# Altium PCB CableNodeRevG.PcbDoc (part 2 of 3)
Units mil, origin at the board's own origin, x right, y up, seen from the top; angles counter-clockwise.
Board outline 3393.33 x 4682.75 mil, 4 copper layers (Top Layer, Internal Plane 1, Internal Plane 2, Bottom Layer); 163 components, 86 nets, 408 pads, 182 vias.
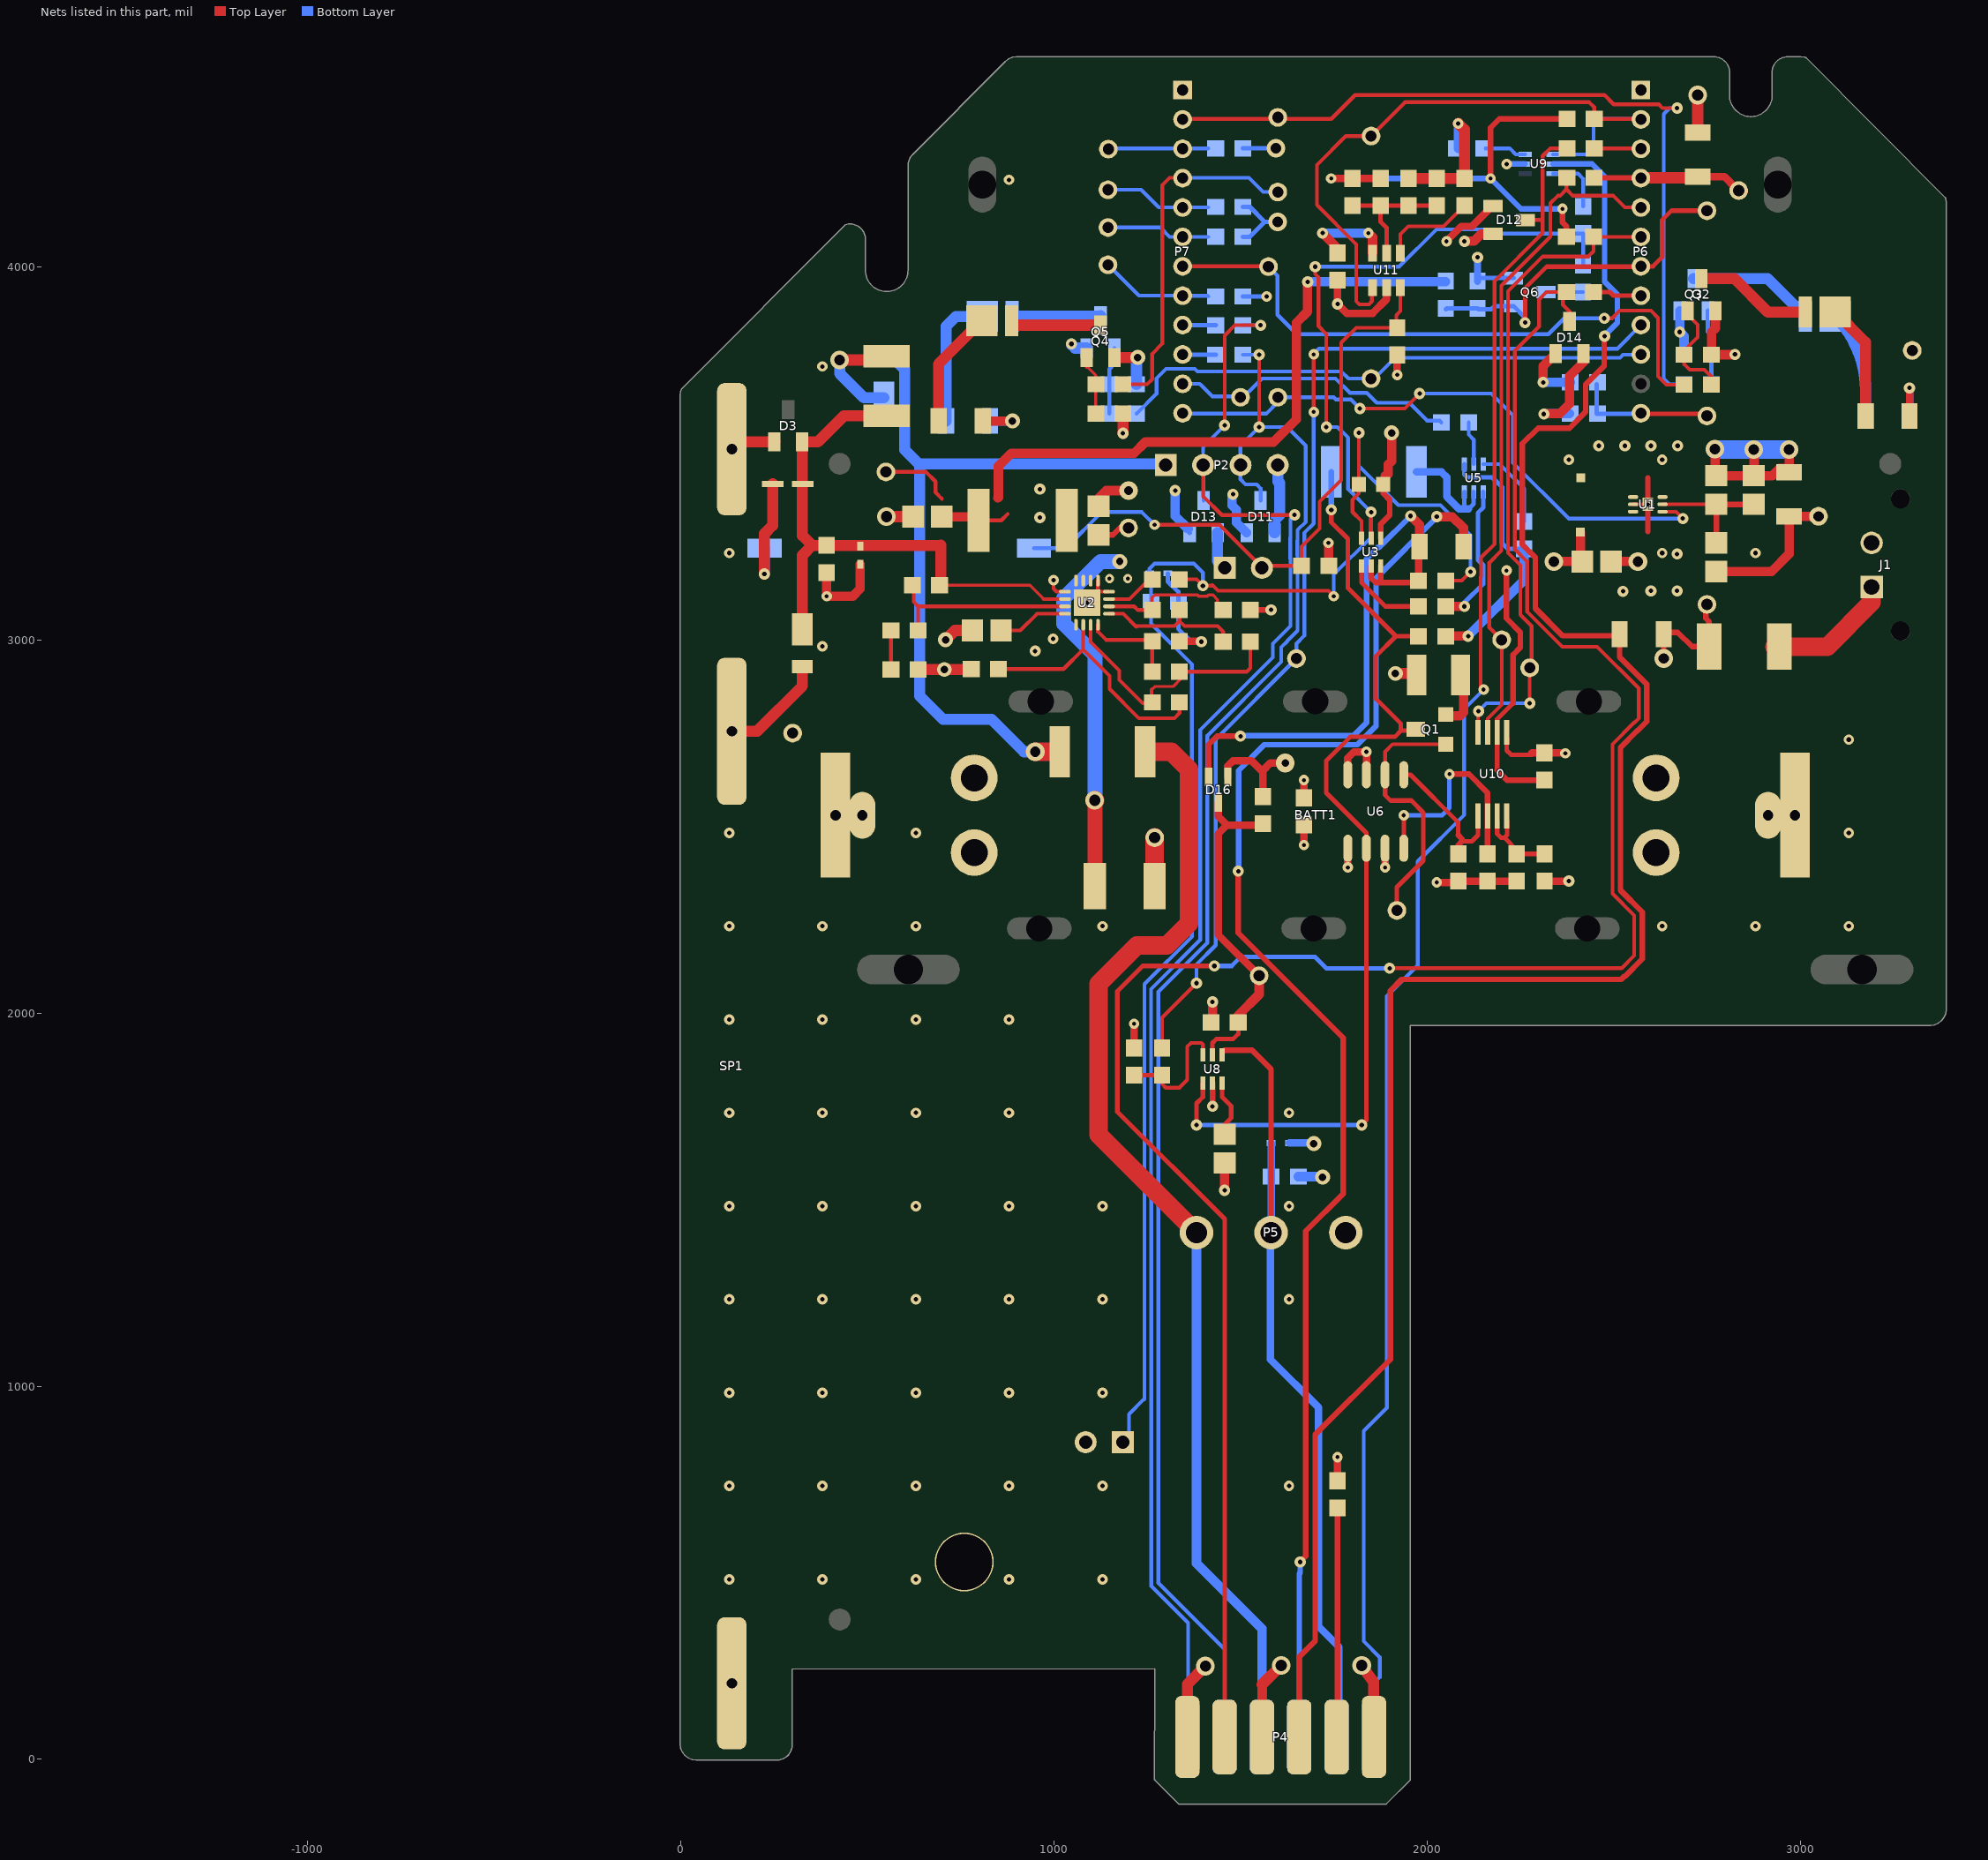
[diagram p4: the nets of this part, all layers, seen from the top]

## Part data (continued)
R46: library part ERJ-3GEY0R00V, "RES 0.0 OHM 1/10W 0603 SMD", Manufacturer="Panasonic - ECG", Package / Case="0603 (1608 Metric)", Power (Watts)="0.1W, 1/10W", Resistance (Ohms)=0.0, Supplier Part Number 1=P0.0GTR-ND, Temperature Coefficient="-100/ +600ppm/°C", Tolerance=Jumper, Category 1=Resistors, ComponentLink1Description=http://industrial.panasonic.com/www-cgi/jvcr13pz.cgi?E+PZ+3+AOA0001+ERJ3GEY0R00V+7+WW, ComponentLink1URL=http://industrial.panasonic.com/www-cgi/jvcr13pz.cgi?E+PZ+3+AOA0001+ERJ3GEY0R00V+7+WW, Composition="Thick Film", Description 1="RES 0.0 OHM 1/10W 0603 SMD", Features=-, Height="0.018\" (0.45mm)", Lead Style="Surface Mount (SMD - SMT)", Manufacturer Part Number=ERJ-3GEY0R00V, OPI_VID=101042, Packaging="Tape & Reel (TR)", Pricing 1="5000=0.00171, 10000=0.00149, 25000=0.00131 (USD)", RoHS 1="RoHS Compliant", Size / Dimension="0.063\" L x 0.031\" W (1.60mm x 0.80mm)", Stock 1=25505000, Supplier 1=Digi-Key
R54: library part ERJ-3EKF2001V, "RES 2K OHM 1/10W 1% 0603 SMD", Manufacturer="Panasonic Electronic Components", Package / Case="0603 (1608 Metric)", Power (Watts)="0.1W, 1/10W", Resistance (Ohms)=2k, Supplier Device Package=0603, Supplier Part Number 1=P2.00KHTR-ND, Temperature Coefficient=±100ppm/°C, Tolerance=±1%, Category=Resistors, ComponentLink1Description=http://industrial.panasonic.com/www-cgi/jvcr13pz.cgi?E+PZ+3+AOA0002+ERJ3EKF2001V+7+WW, ComponentLink1URL=http://industrial.panasonic.com/www-cgi/jvcr13pz.cgi?E+PZ+3+AOA0002+ERJ3EKF2001V+7+WW, Composition="Thick Film", Features=-, Height="0.022\" (0.55mm)", Manufacturer Part Number=ERJ-3EKF2001V, Number of Terminations=2, OPI_VID=101487, Packaging="Tape & Reel (TR)", Pricing 1="5000=0.00272, 10000=0.00236, 25000=0.00207, 50000=0.0019, 125000=0.00186 (CAD)", RoHS="RoHS Compliant", Size / Dimension="0.063\" L x 0.031\" W (1.60mm x 0.80mm)", Stock 1=1000000, Supplier 1=Digi-Key
R55 R56 R57 R68: library part ERJ-3GEYJ472V, "RES 4.7K OHM 1/10W 5% 0603 SMD", Manufacturer="Panasonic - ECG", Package / Case="0603 (1608 Metric)", Power (Watts)="0.1W, 1/10W", Resistance (Ohms)=4.7K, Supplier Part Number 1=P4.7KGTR-ND, Temperature Coefficient=±200ppm/°C, Tolerance=±5%, Category=Resistors, ComponentLink1Description=http://industrial.panasonic.com/www-cgi/jvcr13pz.cgi?E+PZ+3+AOA0001+ERJ3GEYJ472V+7+WW, ComponentLink1URL=http://industrial.panasonic.com/www-cgi/jvcr13pz.cgi?E+PZ+3+AOA0001+ERJ3GEYJ472V+7+WW, Composition="Thick Film", Features=-, Height="0.022\" (0.55mm)", Manufacturer Part Number=ERJ-3GEYJ472V, Number of Terminations=2, OPI_VID=101175, Packaging="Tape & Reel (TR)", Pricing 1="5000=0.00174, 10000=0.00151, 25000=0.00132 (CAD)", RoHS="RoHS Compliant", Size / Dimension="0.063\" L x 0.031\" W (1.60mm x 0.80mm)", Stock 1=6230000, Supplier 1=Digi-Key
R58: library part ERJ-3GEYJ204V, "RES 200K OHM 1/10W 5% 0603 SMD", Manufacturer="Panasonic Electronic Components", Package / Case="0603 (1608 Metric)", Power (Watts)="0.1W, 1/10W", Resistance (Ohms)=100k, Supplier Part Number 1=P100KGTR-ND, Temperature Coefficient=±200ppm/°C, Tolerance=±5%, Category=Resistors, ComponentLink1Description=http://industrial.panasonic.com/www-cgi/jvcr13pz.cgi?E+PZ+3+AOA0001+ERJ3GEYJ104V+7+WW, ComponentLink1URL=http://industrial.panasonic.com/www-cgi/jvcr13pz.cgi?E+PZ+3+AOA0001+ERJ3GEYJ104V+7+WW, Composition="Thick Film", Features=-, Height="0.022\" (0.55mm)", Manufacturer Part Number=ERJ-3GEYJ204V, Number of Terminations=2, OPI_VID=101538, Packaging="Tape & Reel (TR)", Pricing 1="5000=0.00172, 10000=0.00149, 25000=0.00131, 50000=0.0012, 125000=0.00118 (CAD)", RoHS="RoHS Compliant", Size / Dimension="0.063\" L x 0.031\" W (1.60mm x 0.80mm)", Stock 1=3755000, Supplier 1=Digi-Key
R64: library part RC1608F3654CS, "RES 3M65 OHM 1/10W 1% 0603 SMD", Manufacturer=Samsung, Package / Case="0603 (1608 Metric)", Power (Watts)="0.1W, 1/10W", Supplier Part Number=1276-4964-2-ND, Temperature Coefficient=±100ppm/°C, Tolerance=±1%, Category=Resistors, ComponentLink1URL=http://digikey.com/Suppliers/ca/samsung-electro-mechanics.page?lang=en, Composition="Thick Film", Features=-, Height="0.022\" (0.55mm)", Manufacturer Part Number=RC1608F3654CS, Number of Terminations=2, OPI_VID=101535, Packaging="Tape & Reel (TR)", Pricing 1="5000=0.00257, 10000=0.00224, 25000=0.00196, 50000=0.0018, 125000=0.00177 (CAD)", Resistance (Ohms)=3M65, RoHS="RoHS Compliant", Size / Dimension="0.063\" L x 0.031\" W (1.60mm x 0.80mm)", Stock 1=210000, Supplier 1=Digi-Key, Supplier 2=Newark, Supplier Part Number 2=94W5795
SP1: library part SOLAR_PANEL, "Solar Panel, Flexible, 3.6V and 4.8V footprints", Manufacturer="PowerFilm Solar", Manufacturer Part Number=MPT3.6-300, OPI_VID=101345
SW1: "SWITCH REED MAG SMT 25-30 AT", Manufacturer="Standex-Meder Electronics", Supplier Part Number 1=374-1303-1-ND, Switching Current (DC) (Max)=500mA, Switching Power (Max)=10W, Switching Voltage (DC) (Max)=180V, Category 1=Switches, Circuit=SPST-NO, ComponentLink1Description=http://www.meder.com/fileadmin/products/en_datasheets/9151710025e.pdf, ComponentLink1URL=http://www.meder.com/fileadmin/products/en_datasheets/9151710025e.pdf, Magnet="Not Specified", Manufacturer Part Number=MK15-E-2, Mounting Type="PCB, Surface Mount", Must Operate="25 ~ 30AT", Must Release=-, OPI_VID=101384, Packaging="Cut Tape (CT)", Pricing 1="1=1.91, 10=1.674, 25=1.6076, 100=1.4735, 250=1.17212, 500=1.07162, 1000=1.03814 (CAD)", RoHS 1="RoHS Compliant", Stock 1=4362, Supplier 1=Digi-Key, Termination Style="Gull Wing", Type="Molded Body"
U1: "IC REG BOOST SYNC ADJ 0.55A 6DFN", Current - Output=550mA, Frequency - Switching=1MHz, Manufacturer="Linear Technology", Manufacturer Part Number=LTC3526LBEDC-2#TRMPBF, Operating Temperature="-40°C ~ 85°C", Package / Case="6-WFDFN Exposed Pad", Supplier Device Package="6-DFN (2x2)", Supplier Part Number 1=LTC3526LBEDC-2#TRMPBFTR-ND, Voltage - Input="0.5 V ~ 5.5 V", Voltage - Output="1.5 V ~ 5.25 V", Category="Integrated Circuits (ICs)", ComponentLink1Description=http://cds.linear.com/docs/Datasheet/3526llb2fa.pdf, ComponentLink1URL=http://cds.linear.com/docs/Datasheet/3526llb2fa.pdf, Mounting Type="Surface Mount", Number of Outputs=1, OPI_VID=101346, Output Type=Adjustable, Packaging="Tape & Reel (TR)", Pricing 1="500=2.4127 (CAD)", PWM Type="Current Mode, Burst Mode®", RoHS="RoHS Compliant", Stock 1=500, Supplier 1=Digi-Key, Synchronous Rectifier=Yes, Type="Step-Up (Boost)"
U2: library part BQ25504RGTT, "IC ENERGY HARV CTRLR BATT 16QFN", Current - Supply=330nA, Manufacturer="Texas Instruments", Operating Temperature="-40°C ~ 85°C", Package / Case="16-VFQFN Exposed Pad", Supplier Device Package="16-QFN-EP (3x3)", Supplier Part Number 1=296-29741-2-ND, Voltage - Supply="2.5 V ~ 5.25 V", Applications="Energy Harvesting", Category="Integrated Circuits (ICs)", ComponentLink1Description=http://www.ti.com/lit/ds/symlink/bq25504.pdf, ComponentLink1URL=http://www.ti.com/lit/ds/symlink/bq25504.pdf, Manufacturer Part Number=BQ25504RGTT, Mounting Type="Surface Mount", OPI_VID=101347, Packaging="Tape & Reel (TR)", Pricing 1="250=4.86028, 500=4.36108, 750=3.94073, 1250=3.67802, 2500=3.49412, 6250=3.36276, 12500=3.25768, 25000=3.15259 (CAD)", RoHS="RoHS Compliant", Stock 1=500, Supplier 1=Digi-Key
U3 U5: "IC LOAD SWITCH INTEGRATED SC70-6", Current Limit=1.5A, Manufacturer="Fairchild Semiconductor", Operating Temperature="-55°C ~ 150°C", Package / Case="6-TSSOP, SC-88, SOT-363", Supplier Device Package=SC-70-6, Supplier Part Number 1=FDG6342LTR-ND, Voltage - Input="2.5 V ~ 8 V", Category="Integrated Circuits (ICs)", ComponentLink1Description=http://www.fairchildsemi.com/ds/FD/FDG6342L.pdf, ComponentLink1URL=http://www.fairchildsemi.com/ds/FD/FDG6342L.pdf, Internal Switch(s)=Yes, Manufacturer Part Number=FDG6342L, Mounting Type="Surface Mount", Number of Outputs=1, OPI_VID=101348, Packaging="Tape & Reel (TR)", Pricing 1="3000=0.13942, 6000=0.13097, 15000=0.12252, 30000=0.11238, 75000=0.10816, 150000=0.10393 (CAD)", Rds (On)="150 mOhm", RoHS="RoHS Compliant", Stock 1=24000, Supplier 1=Digi-Key, Type="High Side Switch"
U6: "IC BRIDGE I2C TO 1-WIRE 8-SOIC", Current - Supply=750µA, Manufacturer="Maxim Integrated", Operating Temperature="-40°C ~ 85°C", Package / Case="8-SOIC (0.154\", 3.90mm Width)", Supplier Device Package=8-SOIC, Supplier Part Number 1=DS2482S-100+-ND, Voltage - Supply="3.3V, 5V", Category="Integrated Circuits (ICs)", ComponentLink1Description=http://datasheets.maxim-ic.com/en/ds/DS2482-100.pdf, ComponentLink1URL=http://datasheets.maxim-ic.com/en/ds/DS2482-100.pdf, Controller Type="I²C Bus Controller", Interface=I²C, Manufacturer Part Number=DS2482S-100+, Mounting Type="Surface Mount", OPI_VID=101350, Packaging=Tube, Pricing 1="1=1.79, 25=1.1904, 100=0.8686, 1000=0.77314 (CAD)", RoHS="RoHS Compliant", Stock 1=830, Supplier 1=Digi-Key
U8 U9: library part NLAS4157DFT2G, "IC SWITCH SPDT SC88", Current - Supply=500nA, Manufacturer="ON Semiconductor", On-State Resistance="1.15 Ohm", Operating Temperature="-40°C ~ 85°C", Package / Case="6-TSSOP, SC-88, SOT-363", Supplier Device Package=SC-88, Supplier Part Number 1=NLAS4157DFT2GOSTR-ND, Voltage - Supply, Single/Dual (±)="1.65 V ~ 5.5 V", Voltage Supply Source="Single Supply", Category="Integrated Circuits (ICs)", Circuit="1 x SPDT", ComponentLink1Description=http://www.onsemi.com/pub_link/Collateral/NLAS4157-D.PDF, ComponentLink1URL=http://www.onsemi.com/pub_link/Collateral/NLAS4157-D.PDF, Function=Switch, Manufacturer Part Number=NLAS4157DFT2G, Mounting Type="Surface Mount", OPI_VID=101351, Packaging="Tape & Reel (TR)", Pricing 1="3000=0.15291, 6000=0.14305, 15000=0.13318, 30000=0.12628, 75000=0.12332, 150000=0.11838 (CAD)", RoHS="RoHS Compliant", Stock 1=3000, Supplier 1=Digi-Key
U10: "IC LEVEL TRANSLATOR - TSSOP8", Manufacturer="ON Semiconductor", Manufacturer Part Number=PCA9306DTR2G, Operating Temperature="-55°C ~ 125°C", Package / Case="8-TSSOP (0.173\", 4.40mm Width)", Supplier Device Package=8-TSSOP, Supplier Part Number 1=PCA9306DTR2GOSCT-ND, Voltage - Supply="1 V ~ 3.6 V, 1.8 V ~ 5.5 V", Category 1="Integrated Circuits (ICs)", ComponentLink1Description=http://www.onsemi.com/pub_link/Collateral/PCA9306-D.PDF, ComponentLink1URL=http://www.onsemi.com/pub_link/Collateral/PCA9306-D.PDF, Data Rate=-, Description 1="IC VOLT LEVEL TRANSLATOR 8-TSSOP", Differential - Input:Output=No/No, Input Type=Voltage, Logic Function="Translator, Bidirectional, Open Drain", Mounting Type="Surface Mount", Number of Bits=2, Number of Channels=2, Number of Outputs/Channel=1, OPI_VID=101536, Output Type=Voltage, Packaging="Cut Tape (CT)", Pricing 1="1=0.85, 10=0.743, 25=0.6568, 100=0.5721, 250=0.498, 500=0.42392, 1000=0.33955 (CAD)", Propagation Delay (Max)=0.6ns, RoHS 1="RoHS Compliant", Stock 1=2822, Supplier 1=Digi-Key
U11: "Low Quiescent Current, Programmable-Delay  Supervisory Circuit", Manufacturer="Texas Instruments", Manufacturer Part Number=TPS3808G01DBVR, Number of Voltages Monitored=1, Operating Temperature="-40°C ~ 125°C", Package / Case=SOT-23-6, Supplier Part Number 1=296-17188-1-ND, Voltage - Threshold=Adjustable/Selectable, Category 1="Integrated Circuits (ICs)", ComponentLink1Description=http://www.ti.com/lit/ds/symlink/tps3808g01.pdf, ComponentLink1URL=http://www.ti.com/lit/ds/symlink/tps3808g01.pdf, Description 1="IC VOLT SUPERVISOR ADJ SOT23-6", Mounting Type="Surface Mount", OPI_VID=101537, Output="Open Drain or Open Collector", Packaging="Cut Tape (CT)", Pricing 1="1=2.33, 10=2.103, 25=1.8836, 100=1.6938, 250=1.50396, 500=1.31416, 750=1.19004, 1000=0.91261 (CAD)", Reset="Active Low", Reset Timeout=Adjustable/Selectable, RoHS 1="RoHS Compliant", Stock 1=20585, Supplier 1=Digi-Key, Supplier Device Package=SOT-23-6, Type="Simple Reset/Power-On Reset"

## Free pads (board coordinates)
  oval 275.59x78.74 hole 78.74 slot 275.59 at 0 deg unplated: 0(610.19,2116.66) 0(3165.19,2116.66)
  round 50 hole 28: 0(3048.7,3330.94)
  round 50 hole 30: 1(1270,2470)

## Via types
v1: diameter 30, hole 12, Top Layer to Bottom Layer, tented both sides, 65 vias
v2: diameter 28, hole 12, Top Layer to Bottom Layer, tented both sides, 60 vias
v3: diameter 28, hole 11, Top Layer to Bottom Layer, tented both sides, 27 vias
v4: diameter 50, hole 28, Top Layer to Bottom Layer, 10 vias
v5: diameter 40, hole 20, Top Layer to Bottom Layer, tented both sides, 9 vias
v6: diameter 50, hole 30, Top Layer to Bottom Layer, 5 vias
v7: diameter 24, hole 11, Top Layer to Bottom Layer, tented both sides, 2 vias
v8: diameter 28, hole 11, Top Layer to Bottom Layer, 1 vias
v9: diameter 50, hole 24, Top Layer to Bottom Layer, 1 vias
v10: diameter 50, hole 30, Top Layer to Bottom Layer, tented both sides, 1 vias
v11: diameter 50, hole 20, Top Layer to Bottom Layer, tented both sides, 1 vias

## Nets (pads, with @x,y where several pads share a name; then routed paths per layer and width w, separated by ;. In a path a pad name is that pad's centre, name@x,y a point inside that pad or via, vN(x,y) a via of type N, cw(c..) or ccw(c..) an arc to the next point about the centre after c; other vN are vias at no path point)
5V: C1.2 C5.2 C10.2 D16.1 P4.8 R1.2 R16.2 R17.1 R21.1 R22.1 R29.1 R32.1 R46.1 R54.1 R56.2 R57.2 R58.1 TP4.1 U1.6 U5.4 U6.1 | length 2457.1
  Top Layer w20: D16.1@1465.97,2632.34 1465.97,2661.89 1480,2675.91 1530,2675.91 1560,2645.91 ; R46.1@1560,2580 1560,2645.91 ; v11(1620,2670) 1580,2670 1560,2650 1560,2645.91 ; v3(1670,2450) C10.2@1670,2503.58 ; v3(1787.5,2390) U6.1@1787.5,2441.57 ; v3(2025.87,2350) 2079.92,2350 R57.2@2083.51,2353.58 R56.2@2162.2,2353.58 R58.1@2240,2353.58 ; R21.1@3292.78,3600 v1(3292.78,3675)
  Top Layer w25: R29.1@809.06,3586.64 v5(889,3586.64) ; P4.8@1557.59,74 1557.59,200.27 ; R54.1@2051.42,3010 v1(2110,3010) ; R1.2@2771.48,3439.79 v4(2771.48,3510.89) ; R1.2@2775,3439.89 C1.2@2875,3439.89 C1.2@2876.44,3439.89 ; v4@2876.44,3500.81 C1.2@2876.44,3439.89 ; C5.2@2970,3449.06 C5.2@2970,3459.06 ; v4(2970,3510) C5.2@2970,3459.06 ; C1.2@2876.44,3439.89 2925,3439.89 2944.17,3459.06 C5.2@2970,3459.06
  Top Layer w30: 1557.59,200.27 v6(1608.98,251.66) ; v5(1915,2910) 1969.53,2910 R17.1@1979.53,2900
  Bottom Layer w12: U5.4@2099.41,3470.86 2099.41,3443.9 2107.72,3435.58 2174.46,3435.58 2200.79,3409.25 2200.79,3259.84 2216.54,3244.09 R16.2@2259.84,3244.09
  Bottom Layer w20: R22.1@3292.78,3600 v1@3292.78,3667.78
  Bottom Layer w25: R32.1@829.06,3586.64 v5(889,3586.64) ; v1(2110,3010) 2259.84,3159.84 R16.2@2259.84,3244.09
  Bottom Layer w50: v4@2772.37,3510 v4(2875.13,3510) v4(2970,3510)
A2D_VBAT: P6.12 R35.2 R37.2 TP11.1 | length 376.9
  Top Layer w12: P6.12@2573,3606 2744,3606 TP11.1@2750,3600
  Bottom Layer w12: R37.2@2454.57,3685 2454.57,3606 P6.12@2573,3606
A2D_VSOLAR: P6.7 Q6.1 R36.2 R38.2 TP12.1 | length 969
  Top Layer w12: v1(2262.6,3850) 2262.6,3942.13 2320.46,4000 2550,4000 2551,4001 2573,4001 2605.36,4001 2629.98,4025.62 2629.98,4125 2654.98,4150 TP12.1@2750,4150
  Bottom Layer w12: R36.2@2050,3885.58 2053,3888.58 R38.2@2135.24,3888.58 2138.24,3885.58 2172,3885.58 2180.91,3894.49 Q6.1@2231.69,3894.49 2262.6,3863.58 v1(2262.6,3850)
CONSTANT_POWER: C11.1 D16.3 R46.2 TP5.1 U8.5 | length 916.6
  Top Layer w12: U8.5@1425,1887.4 1425,1920 1435,1930 1480,1930 1494,1944 C11.1@1494,1975
  Top Layer w20: D16.3@1440.38,2563.45 1440.38,2527.17 1463.97,2503.58 ; TP5.1@1550,2100 1440.38,2209.62 1440.38,2480 1463.97,2503.58 ; R46.2@1560,2507.17 1556.42,2503.58 1463.97,2503.58
  Top Layer w25: C11.1@1494,1975 1494,1994 1550,2050 TP5.1@1550,2100
DQ_CHANNEL_0: D2.2 D8.2 P4.3 P5.2 U8.4 | length 2255.9
  Top Layer w15: U8.4@1450.59,1887.4 1450.59,1893.01 1457.59,1900 1531.19,1900 1582.1,1849.09 P5.2@1582.1,1411.74
  Bottom Layer w15: P5.2@1580,1409.63 P5.2@1582.1,1411.74
  Bottom Layer w20: P5.2@1580,1409.63 1580,1072.1 1709.45,942.66 1709.45,355.72 1764,301.17 1764,80.41 P4.3@1757.59,74 ; P5.2@1582.1,1411.74 D2.2@1582.1,1561.66 D8.2@1582.1,1651.66
DQ_CONNECT: P6.9 R66.1 TP17.1 | length 2936.6
  Top Layer w10: R66.1@1290,1906.42 1290,1987.9 v1(1382.1,2080) ; v3(1696.32,3610.72) v3(1696.32,3764.98)
  Bottom Layer w10: v1(1382.1,2080) 1382.1,2130.1 1433.58,2181.58 1433.58,2733.58 TP17.1@1650,2950 1650,2990 1671,3011 1671,3286.69 1696.32,3312.01 v3(1696.32,3610.72) ; v3(1696.32,3764.98) 1696.32,3766.32 1710,3780 2510,3780 P6.9@2573,3843
DQ_DEFIB: P7.11 R15.1 TP16.1 | length 776.1
  Bottom Layer w10: P7.11@1345,3686.02 1390.7,3686.02 1391.73,3685 1392.24,3685 1425,3652.24 1510,3652.24 1557.76,3700 1754.88,3700 1792.88,3662 1838,3662 1865,3635 1952.5,3635 2000,3587.5 2033.46,3587.5 R15.1@2038.58,3582.38
DQ_MASTER: Q1.D R18.2 R54.2 U6.2 U8.1 | length 2724.2
  Top Layer w12: v1(1382.1,1700) 1382.1,1757.69 1399.41,1775 U8.1@1399.41,1812.6 ; v1(1743.41,3348.32) 1743.41,3315 1787.5,3270.91 1787.5,3139.21 1916.71,3010 ; v1(1825,1700) 1837.5,1712.5 U6.2@1837.5,2441.57 1837.5,2482.5 1730,2590 1730,2675.91 1794.09,2740 1913.32,2740 1930.02,2756.69 ; R54.2@1978.58,3010 1916.71,3010 ; Q1.D@1979.53,2756.69 1930.02,2756.69 ; 1916.71,3010 1862.5,2955.79 1862.5,2842.51 1930.02,2775 1930.02,2756.69
  Bottom Layer w12: 1400,1700 v1(1825,1700)
  Bottom Layer w15: v1@1743.41,3354.9 R18.2@1743.41,3450
GND: BATT1.5 BATT1.6 BATT1.7 BATT1.8 C2.1 C3.1 C4.1 C5.1 C6.1 C8.1 C9.1 C10.1 C11.2 C20.1 C50.1 C51.1 C53.1 C54.1 D2.1 D5.1 D6.2 D8.1 D9.2 D10.1 D11.1 D12.1 D13.1 D14.1 D15.2 J1.2 MH3.1 P1.2 P2.4 P3.1 P4.2 P4.12 P5.3 P6.1 P7.1 pad.0@3048.7,3330.94 Q2.2 Q3.2 Q4.2 Q5.2 Q6.2 R3.2 R7.2 R10.2 R11.2 R12.2 R19.2 R23.2 R24.2 R31.2 R34.2 R37.1 R38.1 R39.2 R44.1 R50.2 R51.2 R52.2 R53.2 R60.2 R65.1 R67.2 SP1.1 SW1.1 TP18.1 U1.2 U1.7 U2.1 U2.5 U2.12 U2.13 U2.17 U5.1 U6.3 U6.7 U6.8 U8.2 U9.2 U10.1 U11.2 | length 6311
  Top Layer w10: v3(998.98,3160.01) 998.98,3137.02 1006.96,3129.04 U2.1@1029.62,3129.04 ; v3(1088.68,3099.51) U2.17@1118.2,3129.04 ; U2.13@1118.2,3158.57 U2.17@1118.2,3129.04 ; U2.12@1147.73,3129.04 U2.17@1118.2,3129.04 ; U1.2@2552.11,3363.12 v3(2591.48,3363.12)
  Top Layer w12: C11.2@1417.34,1971.17 C11.2@1421.17,1975 C11.2@1425,1978.83 ; 1880,3897.6 1891.26,3908.86 ; U10.1@2214,2721.87 2214,2736.59 2213.39,2737.2 2213.39,2703.91 2225,2692.29 2280,2692.29